# Altium PCB WunderBar_v102b.PcbDoc (part 3 of 7)
Units mil, origin at the board's own origin, x right, y up, seen from the top; angles counter-clockwise.
Board outline 4556.01 x 1552 mil, 4 copper layers (Top, Route2, Route15, Bottom), stack 52.756 mil thick; 380 components, 258 nets, 1400 pads, 528 vias.
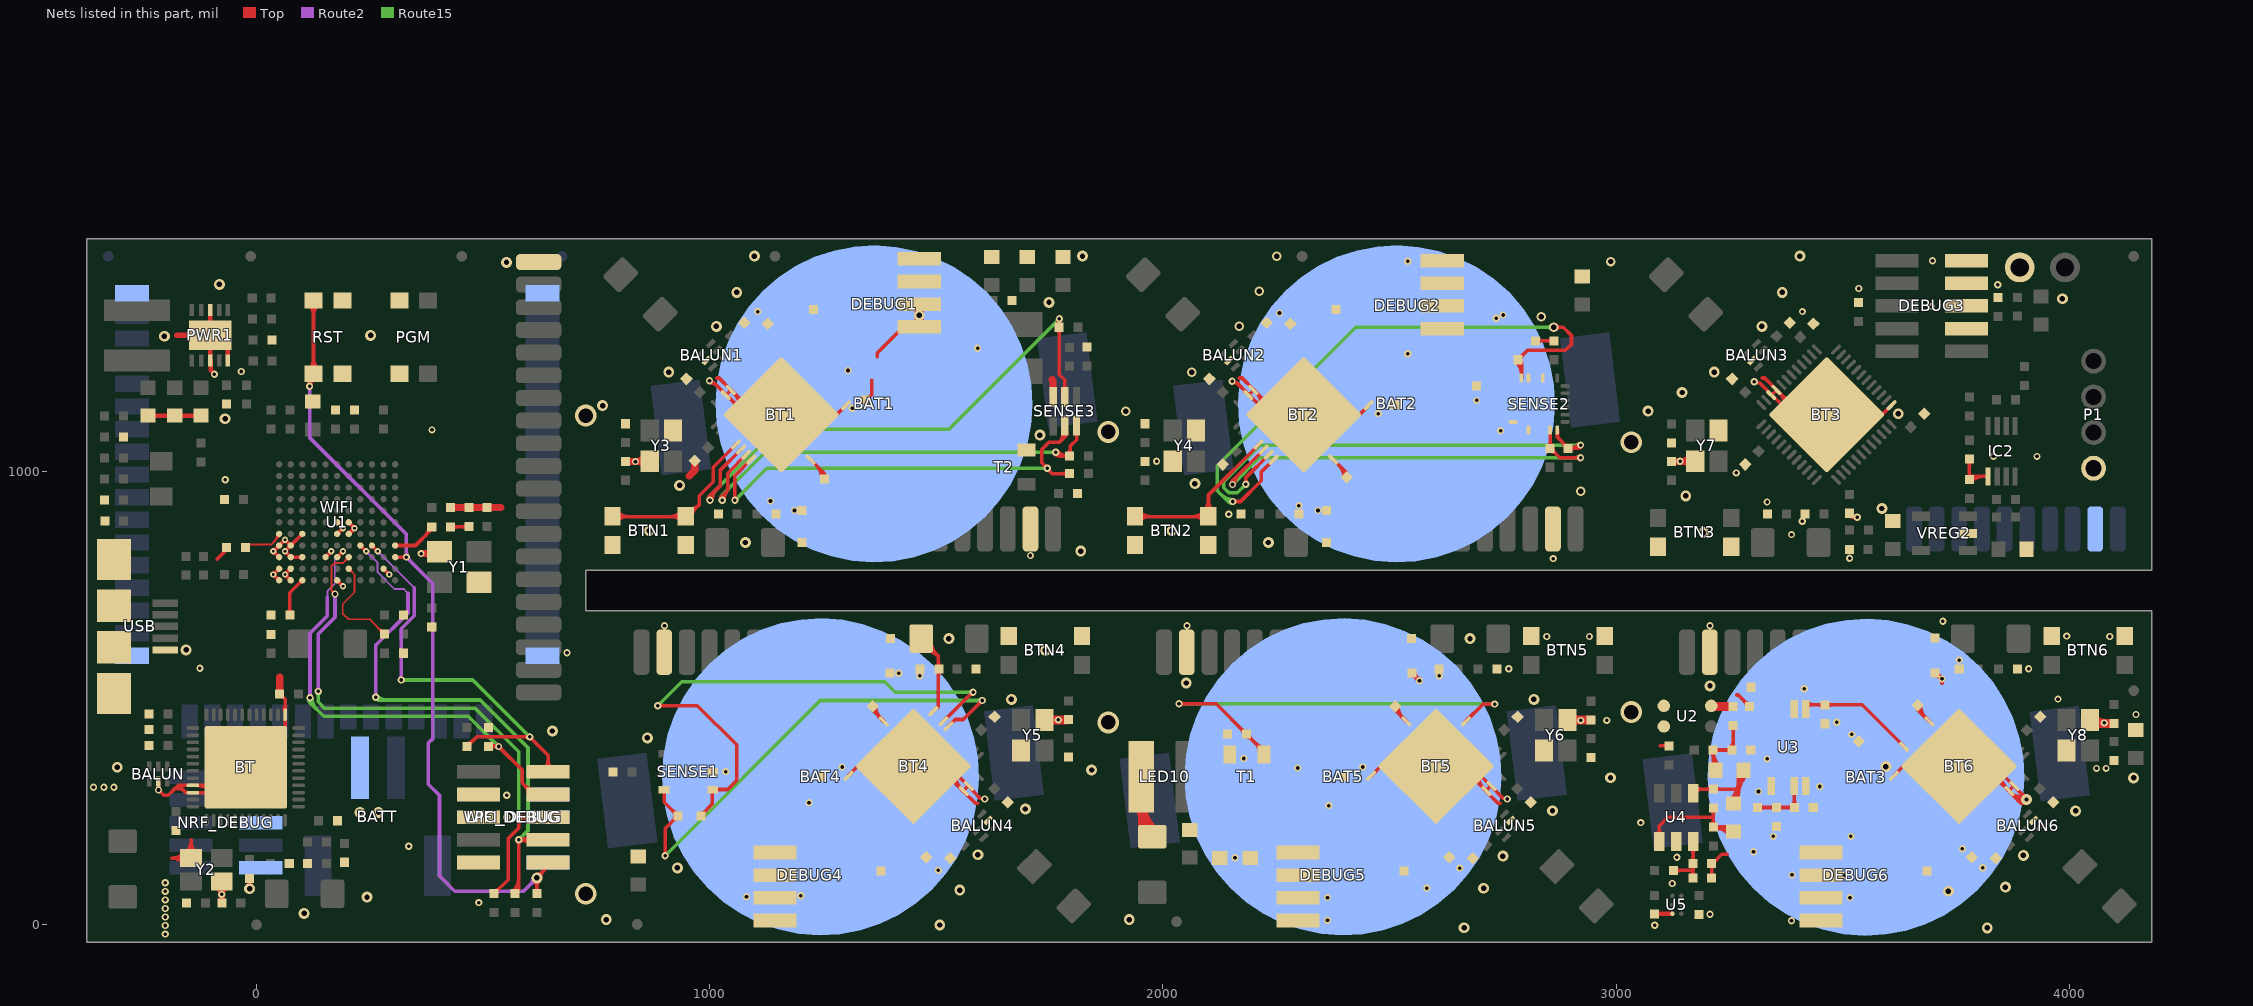
[diagram p5: the nets of this part, all layers, seen from the top]

## Via types
v1: diameter 16, hole 8, Top to Bottom, tented both sides, 282 vias
v2: diameter 24, hole 12, Top to Bottom, tented both sides, 135 vias
v3: diameter 14, hole 6, Top to Bottom, tented both sides, 34 vias
v4: diameter 48/41/41/48 (per signal layer), hole 32, Top to Bottom, 30 vias
v5: diameter 16, hole 8, Top to Route2, tented top, 18 vias
v6: diameter 21/21/21/21 (per signal layer), hole 12, Top to Bottom, tented both sides, 15 vias
v7: diameter 24, hole 12, Top to Route2, tented top, 12 vias
v8: diameter 21/21/21/21 (per signal layer), hole 12, Top to Bottom, 1 vias
v9: diameter 24, hole 8, Top to Bottom, tented both sides, 1 vias

## Nets (pads, with @x,y where several pads share a name; then routed paths per layer and width w, separated by ;. In a path a pad name is that pad's centre, name@x,y a point inside that pad or via, vN(x,y) a via of type N, cw(c..) or ccw(c..) an arc to the next point about the centre after c; other vN are vias at no path point) (continued)
GND: BALUN1.2 BALUN2.2 BALUN3.2 BALUN4.2 BALUN5.2 BALUN6.2 BALUN.2 BAT1.- BAT2.- BAT3.- BAT4.- BAT5.- BATT.2 BT1.13 BT1.33 BT1.34 BT1.PAD BT2.13 BT2.33 BT2.34 BT2.PAD BT3.13 BT3.33 BT3.34 BT3.PAD BT4.13 BT4.33 BT4.34 BT4.PAD BT5.13 BT5.33 BT5.34 BT5.PAD BT6.13 BT6.33 BT6.34 BT6.PAD BT.13 BT.33 BT.34 BT.PAD BTN1.P1 BTN1.P2 BTN2.P1 BTN2.P2 BTN3.P1 BTN3.P2 BTN4.P1 BTN4.P2 BTN5.P1 BTN5.P2 BTN6.P1 BTN6.P2 C1.2 C2.2 C3.2 C4.2 C5.2 C6.2 C7.2 C8.2 C9.2 C10.2 C12.2 C13.2 C14.2 C15.2 C16.2 C17.2 C18.2 C19.2 C20.2 C21.2 C22.2 C23.2 C24.2 C25.2 C26.2 C27.2 C28.2 C29.2 C30.2 C31.2 C32.2 C33.2 C34.2 C35.2 C36.2 C37.2 C38.2 C39.2 C40.2 C41.2 C42.2 C43.2 C44.2 C45.2 C46.2 C47.2 C48.2 C49.2 C50.2 C51.2 C52.2 C53.2 C54.2 C55.2 C56.2 C57.2 C58.2 C59.2 C60.2 C61.2 C62.2 C63.2 C64.2 C65.2 C66.2 C67.2 C68.2 C69.2 C70.1 C71.2 C72.2 C73.2 C74.2 C75.2 C76.2 C77.2 C78.2 C79.2 C80.1 C81.2 C84.1 C85.1 C86.2 C87.2 C88.2 C89.2 C90.1 C91.1 C92.1 C93.1 C94.1 C95.1 C96.1 C97.1 C98.1 C99.1 C100.1 C101.1 C102.1 C103.1 C104.2 C105.2 C106.2 C107.2 C108.2 C109.2 C110.2 C111.2 C112.1 C113.1 C114.1 DEBUG1.3 DEBUG1.5 DEBUG1.7 DEBUG1.9 DEBUG2.3 DEBUG2.5 DEBUG2.7 DEBUG2.9 DEBUG3.3 DEBUG3.5 DEBUG3.7 DEBUG3.9 DEBUG4.3 DEBUG4.5 DEBUG4.7 DEBUG4.9 DEBUG5.3 DEBUG5.5 DEBUG5.7 DEBUG5.9 DEBUG6.3 DEBUG6.5 DEBUG6.7 DEBUG6.9 IC2.1 LED2.K LED3.K LED5.K LED7.K LED8.K LED9.K LED11.K LED12.K LPC_DEBUG.3 LPC_DEBUG.5 LPC_DEBUG.9 NRF_DEBUG.3 NRF_DEBUG.5 NRF_DEBUG.9 P1.1 P1_GND.1 P2.1 PAD1.1 PAD18.1 PAD28.1 PAD38.1 PAD48.1 PAD51.1 PGM.P1 PGM.P2 PWR1.3 PWR1.5 PWR1.8 PWR1.11 R1.1 R3.1 R8.1 R13.1 R15.2 R26.1 R31.1 R32.1 R33.1 R34.1 R35.1 R36.1 R37.1 R50.1 R53.1 R64.2 R65.2 R66.1 R67.1 R69.1 RST.P3 RST.P4 SENSE1.2 SENSE2.9 SENSE2.11 SENSE2.18 SENSE2.20 SENSE3.3 T1.2 T2.2 U1.F6 U1.F7 U1.G3 U1.G6 U1.G7 U1.H1 U1.H2 U1.J1 U1.J2 U1.J3 U1.J5 U1.K1 U1.K2 U1.K10 U1.L1 U1.L2 U1.L6 U2.2 U2.3 U3.1 U3.4 U3.6 U4.2 U5.1C USB.5_GND USB.SHIELD VREG2.2 WIFI.1 WIFI.17 WIFI.32 WIFI.48 WIFI_DEBUG.3 WIFI_DEBUG.5 WIFI_DEBUG.9 Y1.2 Y1.4 Y2.2 Y2.4 Y3.2 Y3.4 Y4.2 Y4.4 Y5.2 Y5.4 Y6.2 Y6.4 Y7.2 Y7.4 Y8.2 Y8.4 | length 8380.4
  Top w6: BT1.PAD@1079.48,1125.48 BT1.PAD@1157.48,1125.48 BT1.PAD@1101.48,1125.48 ; BT4.PAD@1504.48,349.48 BT4.PAD@1449.48,349.48 BT4.PAD@1526.48,349.48 ; 1596.48,279.48 v1@1602.48,279.48 ; v1@2157.48,1195.48 2163.48,1195.48 ; BT2.PAD@2232.48,1125.48 BT2.PAD@2310.48,1125.48 BT2.PAD@2255.48,1125.48 ; BT5.PAD@2658.48,349.48 BT5.PAD@2602.48,349.48 BT5.PAD@2680.48,349.48 ; 2750.48,279.48 v1@2755.48,279.48 ; v1@3311.48,1195.48 3316.48,1195.48 ; BT3.PAD@3386.48,1125.48 BT3.PAD@3464.48,1125.48 BT3.PAD@3408.48,1125.48 ; BT6.PAD@3811.48,349.48 BT6.PAD@3756.48,349.48 BT6.PAD@3834.48,349.48 ; v9@3903.48,279.48 v9@3909.48,279.48
  Top w8: BALUN.2@-216.52,315.48 v1(-216.52,297.48) -204.52,285.48 -195.02,285.48 -180.02,300.48 -179.52,300.48 ; -160.76,295.72 ccw(c-150.52,305.97) BT.34@-150.52,291.48 ; Y2.2@-159.85,135.77 ccw(c-187.07,108.63) -187.07,147.07 ; Y2.2@-159.85,158.37 cw(c-187.07,185.51) -187.07,147.07 ; Y2.2@-155.83,158.38 ccw(c-183.15,185.7) -144.52,185.7 ccw(c-105.89,185.7) Y2.2@-133.21,158.38 ; -144.52,187.52 Y2.2@-144.52,147.07 -187.07,147.07 ; BT.33@-136.99,307.48 cw(c-136.99,234.01) -85.04,285.96 ccw(c-98.36,272.64) BT.PAD@-98.36,291.48 ; -117.67,307.48 cw(c-117.67,253.33) BT.PAD@-79.38,291.62 ; BT.PAD@-95.52,308.48 -96.52,307.48 BT.33@-140.52,307.48 -172.52,307.48 -179.52,300.48 ; Y2.4@-88.37,84.17 cw(c-115.68,56.85) -77.06,56.85 cw(c-38.43,56.85) Y2.4@-65.74,84.17 ; -87,807 -65.89,828.11 C114.1@-65.89,832 ; Y2.4@-84.23,77.09 ccw(c-72.63,83.86) v1@-76.04,70.87 ; C15.2@-81.72,51.48 ccw(c-99.14,61.54) v1@-79.71,66.75 ; C15.2@-80.76,52.72 ccw(c-89.71,61.67) v1@-77.06,61.67 ; v1@-79.88,69.83 ccw(c-86.71,76.66) -77.06,76.66 ccw(c-67.4,76.66) v1@-74.23,69.83 ; C15.2@-79.71,56.01 cw(c-71.3,56.01) v1@-75.2,63.46 ; BT.PAD@-79.52,291.48 -156.52,291.48 -165.52,300.48 -179.52,300.48 ; v1@-78.37,63.22 cw(c-80.68,56.62) C15.2@-73.69,56.62 ; C15.2@-78.13,57.65 ccw(c-84.65,59.4) -79.88,64.17 cw(c-86.71,57.34) -77.06,57.34 cw(c-67.4,57.34) v1@-74.23,64.17 ; v1@-78.07,70.87 ccw(c-81.48,83.86) Y2.4@-69.88,77.09 ; v1@-77.64,59.05 ccw(c-69.09,61.34) C15.2@-73.52,53.68 ; v1@-77.06,64.26 ccw(c-60.74,64.26) C15.2@-72.28,52.72 ; Y2.4@-77.06,95.48 -77.06,49.02 C15.2@-76.52,48.48 ; C15.2@-76.65,57.33 cw(c-72.68,59.62) v1@-75.02,63.56 ; C15.2@-75.19,57.29 cw(c-66.8,59.54) v1@-73.82,64.65 ; v1@-73.69,69.43 ccw(c-50.84,63.31) C15.2@-71.32,51.48 ; BT.PAD@-23.52,347.48 -19.52,343.48 BT.PAD@63.48,426.48 ; v3@37.03,769.91 cw(c37.03,762.67) 42.15,767.79 cw(c47.27,772.91) 40.03,772.91 cw(c47.27,772.91) 42.15,778.03 cw(c37.03,783.15) v3@37.03,775.91 ; v3@37.04,821.07 cw(c37.04,813.83) 42.16,818.95 cw(c47.29,824.07) 40.04,824.07 cw(c47.29,824.07) 42.16,829.19 cw(c37.04,834.31) v3@37.04,827.07 ; 44.67,765.27 cw(c39.5,760.1) U1.L1@46.81,760.1 ; 44.65,780.53 cw(c49.81,775.37) U1.K1@49.81,782.67 ; 44.66,816.45 cw(c39.46,811.25) U1.J1@46.81,811.25 ; 44.67,831.7 ccw(c39.52,836.86) U1.H1@46.81,836.86 ; 44.71,780.59 ccw(c39.63,785.67) U1.K1@46.81,785.67 ; 44.74,765.2 ccw(c49.81,770.27) U1.L1@49.81,763.1 ; 44.77,816.34 ccw(c49.81,821.38) U1.J1@49.81,814.25 ; 44.73,831.75 cw(c49.81,826.67) U1.H1@49.81,833.86 ; U1.L1@49.81,760.1 v3(37.03,772.91) U1.K1@49.81,785.67 ; U1.H1@49.8,836.83 v3(37.04,824.07) U1.J1@49.81,811.25 ; U1.H1@49.81,839.86 ccw(c49.81,847.26) 55.04,842.03 ; U1.H1@49.85,836.83 v3(62.64,849.62) U1.H2@75.4,836.86 ; C7.2@50.95,509.48 63.09,497.34 BT.PAD@63.09,426.48 ; U1.H1@52.81,836.86 cw(c59.9,836.86) 54.89,841.87 ; v3@59.64,849.62 cw(c52.39,849.62) 57.51,844.5 cw(c62.64,839.38) 62.64,846.62 cw(c62.64,839.38) 67.76,844.5 cw(c72.88,849.62) v3@65.64,849.62 ; 59.83,477.88 ccw(c66.6,479.7) BT.13@63.09,473.62 ; v3@62.62,769.88 cw(c62.62,762.67) 67.72,767.77 ; v3(62.62,772.88) U1.L2@75.41,760.08 ; v3(62.62,772.88) U1.K2@75.41,785.65 ; v3@62.62,775.88 ccw(c62.62,783.13) 67.74,778.01 ccw(c72.86,772.88) 65.62,772.88 ccw(c72.88,772.88) 67.74,767.75 ; v3@62.63,821.04 cw(c62.63,813.83) 67.74,818.93 ; v3@62.63,827.04 ccw(c62.63,834.29) 67.75,829.16 ccw(c72.88,824.04) 65.63,824.04 ccw(c72.9,824.04) 67.76,818.9 ; 70.25,780.51 cw(c75.41,775.35) U1.K2@75.41,782.65 ; 70.27,831.68 ccw(c65.11,836.84) 72.41,836.84 ccw(c65.16,836.84) 70.29,841.97 ccw(c75.41,847.08) 75.41,839.84 ccw(c75.41,847.05) 80.51,841.95 ; 70.31,780.58 ccw(c65.23,785.65) U1.K2@72.41,785.65 ; 70.32,816.35 ccw(c75.41,821.44) U1.J2@75.41,814.24 ; 70.28,816.39 cw(c65.12,811.24) U1.J2@72.41,811.24 ; 70.33,831.74 cw(c75.41,826.65) U1.H2@75.41,833.84 ; U1.L2@72.41,760.08 ccw(c65.17,760.08) 70.29,765.2 ccw(c75.41,770.32) U1.L2@75.41,763.08 ; U1.H2@75.09,836.54 U1.G3@100.99,862.43 ; U1.J2@75.41,811.24 U1.J3@100.99,811.23 ; U1.H2@75.41,836.84 v3(62.63,824.04) U1.J2@75.41,811.24 ; U1.J2@77.53,809.12 cw(c82.63,804.01) 82.63,811.23 cw(c82.67,818.5) U1.J2@77.53,813.36 ; U1.H2@78.41,836.84 cw(c85.69,836.84) 80.54,841.99 ; U1.G3@97.99,862.43 cw(c90.74,862.43) 95.86,857.31 cw(c100.99,852.19) U1.G3@100.99,859.43 ; U1.J3@98.86,809.11 ccw(c93.74,803.99) 93.74,811.23 ccw(c93.74,818.47) U1.J3@98.86,813.35 ; U1.J5@152.18,811.25 v3(164.97,824.06) ; U1.J5@152.18,814.25 ccw(c152.18,821.45) 157.27,816.36 ; U1.J5@155.18,811.25 cw(c162.46,811.25) 157.31,816.4 ; v3@161.97,824.06 cw(c154.75,824.06) 159.86,818.95 cw(c164.97,813.79) v3@164.97,821.06 ; U1.L6@177.78,760.08 v3(190.57,747.26) ; U1.L6@177.78,757.08 cw(c177.78,749.88) 182.87,754.97 ; U1.G6@177.78,862.44 v3@190.57,875.22 ; U1.G6@177.78,865.44 ccw(c177.78,872.7) 182.91,867.57 ccw(c188.01,862.44) U1.G6@180.78,862.44 ; U1.F6@177.78,885.02 cw(c177.78,877.77) 182.9,882.89 cw(c188.02,888.02) U1.F6@180.78,888.02 ; U1.F6@177.78,888.02 v3@190.56,875.24 ; U1.L6@180.78,760.08 ccw(c188.07,760.08) 182.92,754.93 ; 185.42,870.07 ccw(c180.23,875.26) 187.57,875.26 ccw(c180.4,875.26) 185.47,880.33 ; 185.39,880.4 ccw(c190.57,885.58) v3@190.57,878.26 ; 185.51,870.17 cw(c190.57,865.11) v3@190.57,872.26 ; v3@187.57,747.26 ccw(c180.3,747.26) 185.44,752.4 ccw(c190.57,757.48) v3@190.57,750.26 ; U1.G7@203.36,862.46 204.5,862.46 v3@216.73,874.68 ; U1.G7@203.36,865.46 ccw(c203.36,875.45) 210.43,868.38 ; U1.F7@203.36,884.88 U1.F7@203.36,888.03 ; U1.F7@203.36,885.03 cw(c203.36,877.75) 208.51,882.9 ; U1.F7@203.36,888.03 v3(216.16,875.25) ; U1.G7@204.98,865.24 ccw(c196.1,880.63) v3@213.26,876.03 ; U1.F7@206.36,888.03 ccw(c213.57,888.03) 208.47,882.94 ; 208.89,867.49 ccw(c204.61,874.9) v3@213.16,875.16 ; 210.23,868.19 ccw(c203.17,875.25) 213.16,875.25 ccw(c205.92,875.25) 211.04,880.37 ccw(c216.16,885.49) v3@216.16,878.25 ; U1.K10@280.14,782.65 cw(c280.14,775.37) 285.3,780.52 ; U1.K10@280.15,785.66 v3(292.95,772.86) ; U1.K10@283.14,785.65 ccw(c290.34,785.65) 285.25,780.56 ; 287.82,778 cw(c282.68,772.86) v3@289.95,772.86 ; 287.84,777.97 ccw(c292.95,783.08) v3@292.95,775.86 ; Y1.4@399.5,819 Y1.4@403.52,823.02 ; LPC_DEBUG.9@488.48,135.48 LPC_DEBUG.9@490.48,137.48 ; v1@1004.48,1195.48 1009.48,1195.48 BT1.34@1036.48,1169.48 ; 1015.48,1206.48 1020.48,1206.48 BT1.33@1045.48,1181.48 ; BT1.34@1042.22,1161.54 cw(c1042.22,1156.24) 1045.97,1159.99 ; BT1.33@1049.4,1178.52 cw(c996.88,1126.95) BT1.PAD@1070.48,1126.28 ; 1062.93,1164.74 cw(c1024.19,1126.7) BT1.PAD@1078.48,1126.21 ; BT1.PAD@1063.41,1142.55 cw(c1046.34,1125.48) BT1.PAD@1070.48,1125.48 ; BT1.PAD@1082.48,1143.48 1062.48,1143.48 BT1.34@1036.48,1169.48 ; BT1.PAD@1101.48,1125.48 1047.48,1180.48 BT1.33@1045.48,1181.48 ; BT1.PAD@1157.48,1125.48 1279.48,1125.48 BT1.13@1300.48,1146.48 ; BT4.13@1305.48,328.48 1326.48,349.48 BT4.PAD@1449.48,349.48 ; C2.2@1343.87,1157.52 1345.01,1157.52 1357.65,1170.15 1357.65,1201.83 ; C2.2@1343.87,1163.52 ccw(c1343.87,1180.77) 1356.07,1168.57 ; C2.2@1349.87,1157.52 cw(c1361.58,1157.52) C2.2@1353.3,1165.8 ; 1369.48,1253.48 1369.48,1261.48 1427.48,1319.48 DEBUG1.3@1462.25,1319.48 ; BT4.PAD@1504.48,349.48 BT4.33@1560.48,293.48 ; BT4.PAD@1526.48,349.48 BT4.34@1570.48,306.48 ; BT4.PAD@1528.48,349.48 ccw(c1586.42,349.48) 1545.45,308.51 ; BT4.PAD@1536.47,350.48 ccw(c1562.76,350.78) BT4.PAD@1544.39,331.98 ; BT4.PAD@1536.48,349.48 ccw(c1613.74,349.48) BT4.33@1559.11,294.85 ; 1591.48,268.48 1585.48,268.48 BT4.33@1560.48,293.48 ; 1596.48,279.48 BT4.34@1570.48,306.48 ; 2163.48,1195.48 BT2.34@2189.48,1169.48 ; 2168.48,1206.48 2174.48,1206.48 BT2.33@2199.48,1181.48 ; 2179.53,1179.43 cw(c2175.78,1175.68) BT2.34@2181.08,1175.68 ; BT2.34@2195.22,1161.54 cw(c2195.22,1156.24) 2198.97,1159.99 ; BT2.33@2200.85,1180.11 cw(c2146.23,1125.48) 2223.48,1125.48 ccw(c2199.34,1125.48) BT2.PAD@2216.41,1142.55 ; 2214.51,1166.45 cw(c2173.54,1125.48) BT2.PAD@2231.48,1125.48 ; BT2.PAD@2224.48,1143.48 2215.48,1143.48 BT2.34@2189.48,1169.48 ; BT2.PAD@2255.48,1125.48 BT2.33@2199.48,1181.48 ; BT2.PAD@2310.48,1125.48 2433.48,1125.48 BT2.13@2454.48,1146.48 ; BT5.13@2459.48,328.48 2480.48,349.48 BT5.PAD@2602.48,349.48 ; C53.2@2549.86,549.43 cw(c2549.86,534.95) 2560.11,545.19 cw(c2570.35,555.43) C53.2@2555.86,555.43 ; C53.2@2549.86,555.43 2566.14,539.16 v1(2566.14,538.57) ; C53.2@2553.44,549.04 cw(c2543.97,532.63) v1@2562.27,537.53 ; C53.2@2557.35,549.97 ccw(c2571.36,558.06) v1@2567.17,542.43 ; C53.2@2558.74,545.98 cw(c2555.26,539.95) v1@2562.17,539.07 ; C53.2@2558.89,546.41 cw(c2551.05,538.57) v1@2562.14,538.57 ; C53.2@2559.55,546.15 ccw(c2565.77,549.73) v1@2566,542.56 ; 2560.32,544.97 ccw(c2566.14,550.79) v1@2566.14,542.57 ; BT5.PAD@2658.48,349.48 2712.48,295.48 BT5.33@2713.48,293.48 ; BT5.PAD@2680.48,349.48 BT5.34@2723.48,306.48 ; BT5.PAD@2681.48,349.48 ccw(c2737.01,349.48) 2697.74,310.22 ; BT5.PAD@2695.84,334.12 cw(c2711.21,349.48) 2689.48,349.48 ccw(c2764.32,349.48) BT5.33@2711.4,296.56 ; 2744.48,268.48 2738.48,268.48 BT5.33@2713.48,293.48 ; 2750.48,279.48 BT5.34@2723.48,306.48 ; C40.2@2822.48,1288.48 C39.2@2862.48,1288.48 ; C40.2@2826.72,1284.24 cw(c2836.97,1273.99) 2836.97,1288.48 cw(c2836.97,1302.97) C40.2@2826.72,1292.72 ; C39.2@2858.24,1284.24 ccw(c2847.99,1273.99) 2847.99,1288.48 ccw(c2847.99,1302.97) C39.2@2858.24,1292.72 ; 3096.96,394.63 C113.1@3116.96,394.63 ; R66.1@3210.83,103 C112.1@3210.83,135 3212.81,135 3233.29,155.48 3244.48,155.48 ; 3266,507 3269.1,507 C85.1@3294.4,481.7 ; C85.1@3288.4,481.7 ccw(c3273.91,481.7) 3284.15,491.94 ccw(c3294.4,502.19) C85.1@3294.4,487.7 ; 3316.48,1195.48 BT3.34@3343.48,1169.48 ; 3322.48,1206.48 3327.48,1206.48 BT3.33@3353.48,1181.48 ; BT3.34@3349.22,1161.54 cw(c3349.22,1156.24) 3352.97,1159.99 ; BT3.33@3356.4,1178.52 cw(c3303.88,1126.95) BT3.PAD@3377.48,1126.28 ; 3369.93,1164.74 cw(c3331.19,1126.7) BT3.PAD@3385.48,1126.21 ; BT3.PAD@3370.41,1142.55 cw(c3353.34,1125.48) BT3.PAD@3377.48,1125.48 ; BT3.PAD@3405.48,1143.48 3369.48,1143.48 BT3.34@3343.48,1169.48 ; BT3.PAD@3408.48,1125.48 3354.48,1180.48 BT3.33@3353.48,1181.48 ; BT3.PAD@3464.48,1125.48 3586.48,1125.48 BT3.13@3607.48,1146.48 ; C64.2@3512.83,907.73 ccw(c3522.83,909.1) C64.2@3522.83,899 ; C64.2@3520.76,908.81 ccw(c3532,910.35) v1(3532,899) C64.2@3523.81,899 ; v1@3528.84,896.54 ccw(c3523.81,892.62) C64.2@3523.81,899 ; v1@3528.84,901.46 cw(c3523.81,905.38) C64.2@3523.81,899 ; v1@3531.26,902.93 cw(c3527.83,921.02) C64.2@3514.81,908 C64.2@3523.81,899 ; BT6.13@3612.48,328.48 3633.48,349.48 BT6.PAD@3756.48,349.48 ; C73.2@3703.67,549.87 cw(c3703.67,535.38) 3713.91,545.63 cw(c3724.15,555.87) C73.2@3709.67,555.87 ; C73.2@3703.67,555.87 3719,540.54 3719,533 ; C73.2@3708.89,550.65 ccw(c3719,560.76) v1@3719,546.46 ; C73.2@3709.35,553.53 ccw(c3722.02,560.85) v1@3719.65,546.41 ; C73.2@3710.32,547.7 cw(c3705.15,538.75) v1@3715.14,541.43 ; C73.2@3711.15,547.22 ccw(c3715.64,555) v1@3717.96,546.32 ; v1@3716.21,539.59 cw(c3709.81,533) 3719,533 ; v1@3721.79,539.59 ccw(c3728.19,533) 3719,533 ; C89.2@3775.24,986.72 ccw(c3764.99,996.97) 3779.48,996.97 ccw(c3793.97,996.97) C89.2@3783.72,986.72 ; C88.2@3775.24,1023.24 cw(c3764.99,1012.99) 3779.48,1012.99 cw(c3793.97,1012.99) C88.2@3783.72,1023.24 ; C89.2@3778.07,983.89 cw(c3791.55,970.41) 3791.55,989.48 ; C88.2@3779.48,1027.48 C89.2@3779.48,982.48 3786.48,989.48 IC2.1@3820.48,989.48 ; C89.2@3783.72,978.24 cw(c3810.87,951.1) 3810.87,989.48 ; BT6.PAD@3811.48,349.48 3866.48,295.48 BT6.33@3867.48,293.48 ; BT6.PAD@3834.48,349.48 BT6.34@3877.48,306.48 ; BT6.PAD@3835.48,349.53 ccw(c3891.84,349.56) 3852.35,309.35 ; BT6.PAD@3843.48,349.48 ccw(c3865.21,349.48) BT6.PAD@3849.84,334.12 ; BT6.PAD@3843.48,349.53 ccw(c3918.6,349.58) BT6.33@3865.97,295.98 ; 3877.11,283.85 ccw(c3897.57,304.31) v9(3905.48,276.48) ; 3886.74,274.22 ccw(c3901.83,289.32) v9@3907.67,268.79 ; 3891.47,291.95 cw(c3875.99,277.04) v9@3897.48,276.63 ; 3893.62,289.72 ccw(c3905.95,301.6) v9@3905.63,284.48 ; v9@3898.48,268.48 3892.48,268.48 BT6.33@3867.48,293.48 ; v9@3903.29,284.18 cw(c3893.3,319.3) BT6.33@3867.48,293.48 ; v9@3903.48,279.48 BT6.34@3877.48,306.48 ; Y8.4@4045.48,452.48 4052.48,445.48 C77.2@4098.48,445.48 ; Y8.4@4051.14,453.6 ccw(c4070.74,473.21) v1@4070.74,445.48 ; Y8.4@4056.79,436.63 cw(c4078.16,415.27) v1@4078.16,445.48 ; Y8.4@4056.79,459.26 ccw(c4090.06,492.52) C77.2@4090.06,445.48 ; Y8.4@4063.48,447.43 ccw(c4067.41,462.1) v1@4075,448.94 ; 4066.29,453.62 cw(c4058.69,440.81) v1@4073.12,444.49 ; 4067.05,442.5 ccw(c4064.29,452.82) v1@4073.54,447.48 ; 4068.45,442.88 cw(c4070.68,434.54) v1@4075,442.02 ; v1@4074.17,442.65 ccw(c4067.34,435.82) 4067.34,445.48 ccw(c4067.34,455.14) v1@4074.17,448.31 ; v1@4079.18,442.13 cw(c4085.53,432.36) C77.2@4088.55,443.61 ; v1@4079.83,442.65 cw(c4086.66,435.82) 4086.66,445.48 cw(c4086.66,455.14) v1@4079.83,448.31 ; v1@4080.01,442.84 cw(c4090.99,433.21) C77.2@4090.99,447.82 ; v1@4081.34,447.82 ccw(c4086.17,465.81) C77.2@4095.48,449.68 ; v1@4081.58,445.48 cw(c4081.58,427.58) C77.2@4094.24,440.24 ; 4086.41,445.48 ccw(c4086.41,456.55) C77.2@4094.24,448.72 ; 4087.01,446.3 cw(c4084.33,436.31) C77.2@4093.28,441.48 ; BT1.34@1036.48,1169.48 1045.48,1178.48 BT1.33@1045.48,1181.48 ; BT4.33@1560.48,293.48 1560.48,296.48 BT4.34@1570.48,306.48 ; BT2.34@2189.48,1169.48 2199.48,1178.48 BT2.33@2199.48,1181.48 ; BT5.33@2713.48,293.48 2713.48,296.48 BT5.34@2723.48,306.48 ; BT3.34@3343.48,1169.48 3353.48,1178.48 BT3.33@3353.48,1181.48 ; BT6.33@3867.48,293.48 3867.48,296.48 BT6.34@3877.48,306.48
  Top w9: C80.1@3085.98,24.32 U5.1C@3124.16,24.32
  Top w10: C10.2@-244.48,1118.48 C10.2@-239.48,1123.48 C9.2@-122.52,1123.48 ; PWR1.3@-102.52,1244.87 PWR1.11@-102.52,1300.48 PWR1.8@-102.52,1356.48 ; PWR1.3@-101,1246.35 -101,1224 v1@-94.39,1217.39 ; BT.PAD@-95.52,308.48 -81.16,293.23 BT.PAD@-79.52,291.48 ; PWR1.5@-63.15,1245 PWR1.11@-63.15,1300.61
  Top w12: -176.52,1300.48 PWR1.11@-102.52,1300.48 ; v2(-15.52,79.48) C12.2@-15.52,102.48
  Top w16: C7.2@50.95,509.48 50.95,546.01 ; v1(363,819) Y1.4@399.5,819 ; C107.2@428.15,920.52 LED5.K@468.48,920.52 C18.2@508.52,920.52 539.44,920.52 ; C23.2@814.48,1022.48 Y3.4@867.48,1022.48 ; v1@837.22,1022.48 ccw(c837.22,1053.28) Y3.4@859,1031.5 ; v1@839.8,1022.48 cw(c839.8,995.34) Y3.4@859,1014.53 ; 954.48,990.48 966.63,1002.63 C20.2@966.63,1023.63 ; 1755.48,1202.48 1757.48,1200.48 SENSE3.3@1757.48,1164.48 ; C80.1@3085,23.33 C80.1@3085.98,24.32 ; C68.2@3122.48,1022.48 Y7.4@3173.94,1022.48 ; v1@3144.22,1022.48 ccw(c3144.22,1053.28) Y7.4@3166,1031.5 ; v1@3146.8,1022.48 cw(c3146.8,995.34) Y7.4@3166,1014.53
  Top w20: DEBUG1.3@1462.25,1319.48 DEBUG1.5@1462.25,1369.48 ; Y5.4@1738.54,452 C47.2@1786.48,452 ; Y5.4@1745.55,444.87 cw(c1762.76,427.67) v1@1762.76,452 ; Y5.4@1745.55,459.02 ccw(c1762.49,475.95) v1@1762.49,452 ; Y6.4@2892.94,451.48 C57.2@2944.48,451.48 ; Y6.4@2899.55,444.87 cw(c2915.5,428.92) v1@2915.5,451.48 ; Y6.4@2899.55,459.02 ccw(c2917.74,477.21) v1@2917.74,451.48 ; Y8.4@4050.54,444.48 C77.2@4098.48,444.48 ; Y8.4@4052.55,455.02 ccw(c4077.99,480.45) v1@4077.99,444.48
  other v1: -201.52,-20.52 -201.52,-1.69 3085,-1 3387,9 2363,10 -201.52,17.15 3207,23 -201.52,35.98 490,49 -201.52,54.81 2363,60 3516,60 1081,62 1201,64 -77.06,67 -201.52,73.65 2582,81 3124,91 -201.52,92.48 3505,109 3388,110 1504,120 2655,125 3809,126 2159,148 3134,149 3303,161 3764,168 336,173 3347,195 3518,195 3054.48,225.48 552,237 2366,263 1219,269 1606.48,277.48 2759.48,277.48 552,286 3314,294 -359.85,303.48 -336.85,303.48 -314.85,303.48 3449,305 1035,338 4060,345 4081,345 2297,346 1292,348 2441,348 3333,366 2178,367 3520,420 4077,445.48 3487,447 2922,451 2979,451 1769,452 4147,464 3975,498 3415,521 3719,542.46 1463.48,549.48 2609.48,549.48 1417,555 2763,565 3910,565 -125,566 3757,584 685,600 2847,636 2941,636 4089,636 3994,637 900,660 2053,660 3207,660 3721,670 2861,808 3515,809 1707.52,814.89 3387,861 3410.48,890.48 2145,906 1187,914 2342,914 2300,925 3333,933 1134,935 -69,982 3265,997 836,1022 1986,1023 3141,1023 3928.48,1033.48 3832.74,1033.98 2745,1090 387,1092 2475,1128 1314.48,1139.8 2692,1157 3304.48,1198.48 2152.48,1199.48 999.48,1200.48 -93,1215 -34.07,1220.94 1305,1223 2540,1260 1591,1272 2735.48,1338.48 2750.48,1345.48 2257,1350 1106,1353 3411,1353 3696,1364 3535,1404 3842,1412 2540,1464 3698,1465
  other v2: 2664.48,-6.52 3818.8,-6.88 1507.48,-0.52 771.48,11.48 1925.48,11.48 105,25 243.62,60.98 3733,74 1551.48,76.48 2707.48,80.48 3858.8,83.12 928.48,125.48 2750.14,151.46 3898.46,153.1 1591.48,154.48 228,248 269,248 2859.48,251.48 4013.8,251.12 1696.48,255.48 2987.48,324.48 4141.8,324.12 1842.48,341.48 -307.52,347.48 3595,349 862.48,412.48 652.82,427.55 1665.48,497.48 2818.48,497.48 3207,527 2051.48,533.48 1740.48,605.48 -155.52,606.48 1527.48,631.48 2677.48,631.48 1818.48,824.48 1078.48,843.48 2232.48,843.48 3192.48,865.48 866.48,869.48 2019.48,869.48 3586.48,918.48 3153.48,946.48 933.48,969.48 2070.48,973.48 1728.48,1080.48 -69.52,1116.48 3622.48,1127.48 3070.48,1133.48 763.48,1145.48 3145.48,1174.48 909.48,1219.48 3216.48,1219.48 -203.52,1298.48 251.48,1300.48 1014.48,1320.48 3321.48,1320.48 1462.25,1344.48 1748.48,1373.48 3984.48,1381.48 1059.48,1395.48 3366.48,1395.48 -82,1413 551.48,1461.48 1098.48,1475.48 1822.48,1475.48 3405.48,1475.48
  other v3: 190.57,875.26
  other v4: 726.48,68.48 1879.48,446.48 3033.48,469.48 3033.48,1064.48 1879.48,1087.48 726.48,1123.48
  other v6: 2921.48,956.48 1917.48,1133.48 2063.48,1219.48 2168.48,1320.48 2834.48,1341.48 2212.48,1397.48 2988.48,1463.48 2251.48,1475.48
GYRO_INT: BT2.44 R21.1 SENSE2.12 | length 1541.7
  Top w8: v1(2154,934) 2171,934 2217,980 2217,999 BT2.44@2245.48,1027.48 ; v1@2156.83,931.17 cw(c2163.66,924.34) 2163.66,934 cw(c2163.66,943.66) v1@2156.83,936.83 ; R21.1@2779.24,1242.57 cw(c2749.68,1213.01) SENSE2.12@2791.48,1213.01 ; R21.1@2783.48,1252.81 ccw(c2783.48,1268.09) 2794.29,1257.29 ; R21.1@2784.89,1248.23 cw(c2768.99,1232.33) 2791.48,1232.33 ; R21.1@2789.48,1246.81 cw(c2803.17,1246.81) 2793.49,1256.49 ; SENSE2.12@2791.48,1206.48 2791.48,1238.48 2783.48,1246.48 2804.48,1267.48 2887.48,1267.48 2901.48,1280.48 2901.48,1300.48 2883.48,1318.48 v6(2862.48,1318.48) ; v6@2867.08,1313.88 cw(c2878.17,1302.79) 2878.17,1318.48 cw(c2878.17,1334.17) v6@2867.08,1323.08
  Route15 w8: 2130.1,947.9 ccw(c2154,971.8) v1@2154,938 ; 2143.76,934.24 ccw(c2154,944.49) v1@2154,930 ; v1@2151.17,931.17 ccw(c2144.34,924.34) 2144.34,934 ccw(c2144.34,943.66) v1@2151.17,936.83 ; v1(2154,934) 2144,934 2120,958 2120,1013 2425.48,1318.48 v6(2862.48,1318.48) ; v6@2857.88,1313.88 ccw(c2846.79,1302.79) 2846.79,1318.48 ccw(c2846.79,1334.17) v6@2857.88,1323.08